# Altium PCB Buck_60W20V.pcbdoc (part 2 of 2)
Units mm, origin at the board's own origin, x right, y up, seen from the top; angles counter-clockwise.
Board outline 100.05 x 100.05 mm, 2 copper layers (Top Layer, Bottom Layer), stack 1.671 mm thick; 155 components, 86 nets, 482 pads, 532 vias.
Unrouted connection lines stored in the file: 116.
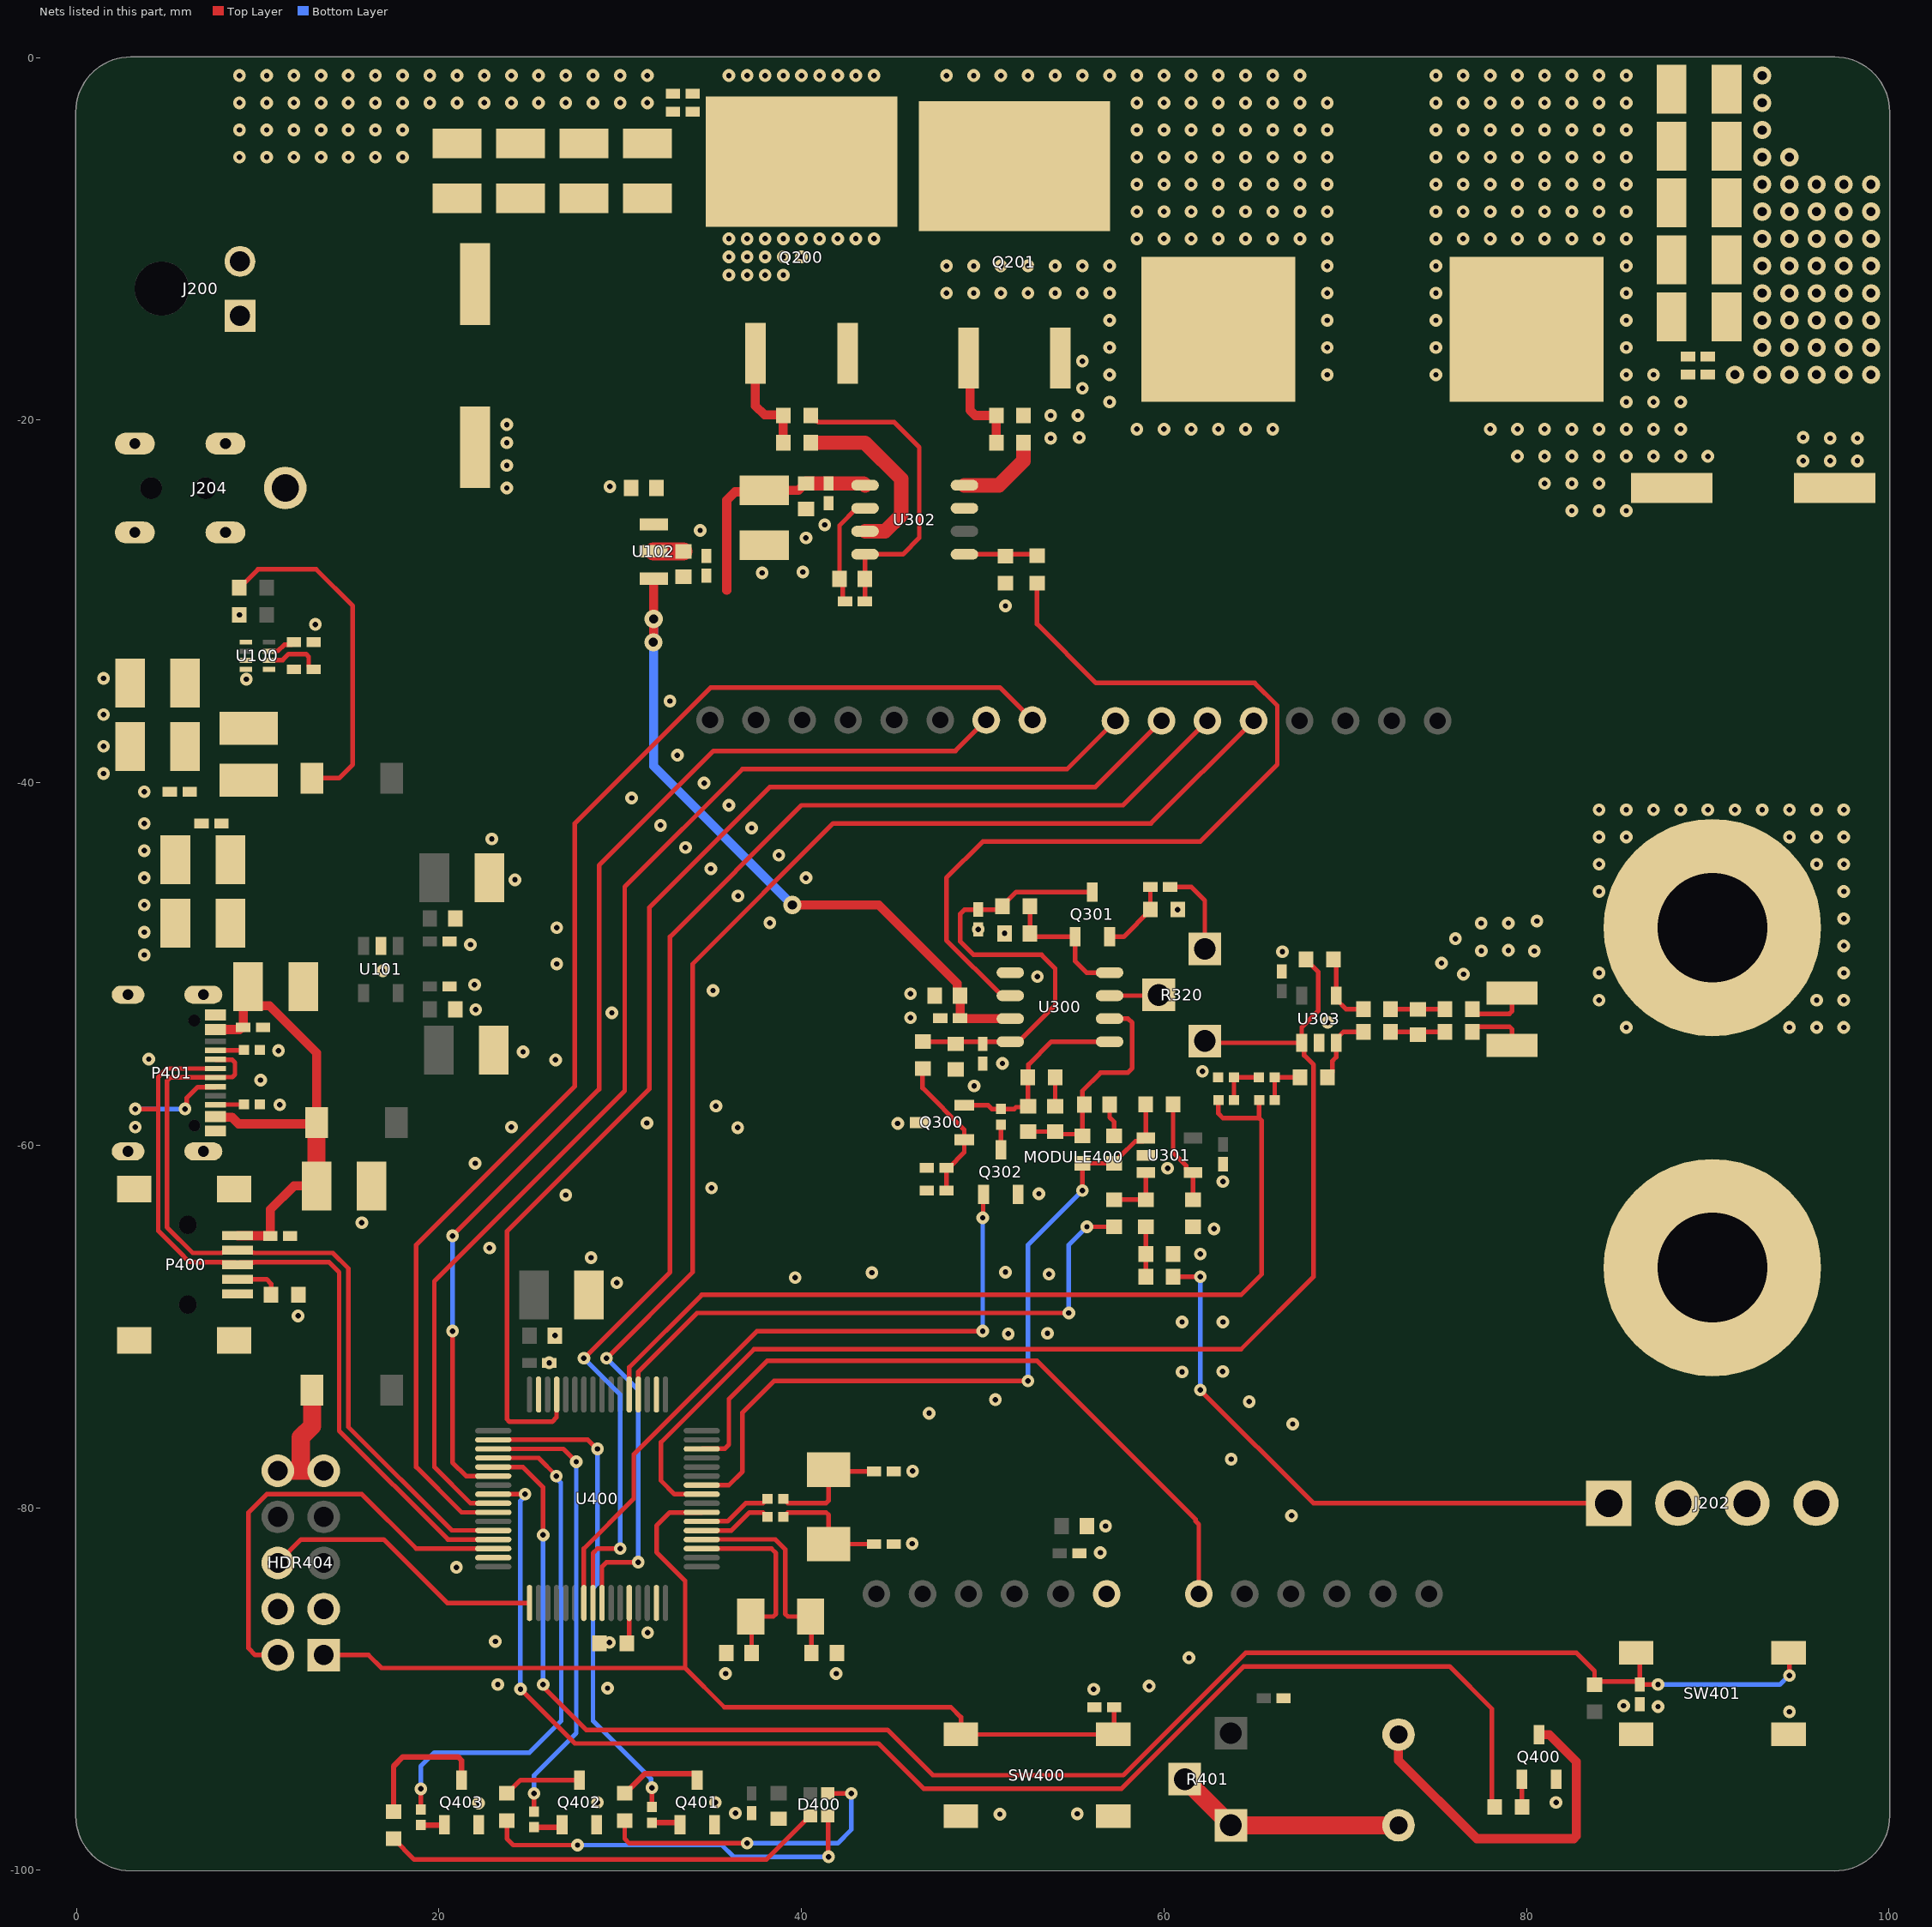
[diagram p2: the nets of this part, all layers, seen from the top]

## Via types
v1: diameter 0.7, hole 0.3, Top Layer to Bottom Layer, tented both sides, 470 vias
v2: diameter 1, hole 0.5, Top Layer to Bottom Layer, tented both sides, 57 vias
v3: diameter 5, hole 3, Top Layer to Bottom Layer, tented both sides, 4 vias
v4: diameter 1.27, hole 0.711, Top Layer to Bottom Layer, tented both sides, 1 vias

## Nets (pads, with @x,y where several pads share a name; then routed paths per layer and width w, separated by ;. In a path a pad name is that pad's centre, name@x,y a point inside that pad or via, vN(x,y) a via of type N, cw(c..) or ccw(c..) an arc to the next point about the centre after c; other vN are vias at no path point) (continued)
5V_ST-LINK: D102.2 HDR404.9 HDR404.10 | length 7.3
  Top Layer w1: HDR404.10@11.112,-77.96 12.383,-77.96 ; D102.2@13,-73.5 13,-75.5 12.383,-76.118 12.383,-77.96 ; HDR404.9@13.652,-77.96 12.383,-77.96
12V: C115.2 C116.1 C301.2 C302.2 C312.2 C313.1 C314.2 U102.1 U300.7 U302.1 | length 51.1
  Top Layer w0.254: U102.1@31.84,-28.766 U102.1@31.848,-28.774
  Top Layer w0.5: v2@31.848,-32.258 v2(31.848,-30.972) U102.1@31.848,-28.774 ; 35.878,-29.397 35.878,-24.416 36.336,-23.959 37.86,-23.959 C312.2@37.949,-23.87 39.83,-23.87 40.2,-23.5 C313.1@40.25,-23.5 ; v2(39.5,-46.75) 44.266,-46.75 48.6,-51.084 48.6,-51.6 C301.2@48.75,-51.75 C302.2@48.75,-53 48.76,-53.01 51.51,-53.01 U300.7@51.52,-53.02
  Top Layer w0.8: C313.1@40.25,-23.5 C314.2@41.5,-23.5 43.415,-23.5 U302.1@43.51,-23.595
  Bottom Layer w0.5: v2@31.84,-30.98 31.84,-39.09 v2(39.5,-46.75)
  other v2: 31.832,-32.258
24V: C102.2 C103.2 C104.2 C114.2 C200.2 C211.1 C213.1 C218.1 C219.1 C220.1 C221.2 J200.1 J204.1 Q200.4 U100.3 U102.3
  other v1: 36,-12 37,-12 38,-12 39,-12 36,-11 37,-11 38,-11 39,-11 40,-11 36,-10 37,-10 38,-10 39,-10 40,-10 41,-10 42,-10 43,-10 44,-10 36,-1 37,-1 38,-1 39,-1 40,-1 41,-1 42,-1 43,-1 44,-1
_xtal_8meg_N: R404.2 U400.6 | length 4.2
  Top Layer w0.254: U400.6@34.5,-80.75 34.508,-80.742 35.929,-80.742 36.925,-79.746 37.876,-79.746 38.122,-79.5 R404.2@38.134,-79.5
_xtal_8meg_P: R402.2 U400.5 | length 4.1
  Top Layer w0.254: U400.5@34.5,-81.25 36.139,-81.25 37.135,-80.254 37.876,-80.254 38.122,-80.5 R402.2@38.134,-80.5
bootstap_node: C315.2 C316.1 U302.2 | length 6.1
  Top Layer w0.254: C316.1@42.41,-30 42.285,-29.875 42.285,-28.935 C315.2@42.1,-28.75 42.1,-25.815 43.05,-24.865 U302.2@43.51,-24.865
buzzer_ctrl: R403.1 U400.40 | length 77.7
  Top Layer w0.254: U400.40@23,-79.25 v1(24.75,-79.25) ; v1(24.5,-90) 27.5,-93 44.25,-93 46.75,-95.5 57.647,-95.5 64.397,-88.75 75.75,-88.75 78.086,-91.086 78.086,-96.342 R403.1@78.244,-96.5
  Bottom Layer w0.254: v1(24.5,-90) 24.5,-79.621 24.75,-79.371 v1(24.75,-79.25)
GND: C100.2 C102.1 C103.1 C104.1 C105.1 C106.1 C107.1 C108.1 C109.1 C110.1 C111.1 C112.1 C113.1 C114.1 C115.1 C116.2 C200.1 C201.2 C211.2 C213.2 C218.2 C219.2 C220.2 C221.1 C228.1 C229.2 C230.2 C231.2 C232.2 C233.2 C234.2 C301.1 C302.1 C303.1 C304.1 C306.2 C308.1 C309.1 C310.1 C311.1 C312.1 C313.2 C314.1 C318.1 C400.1 C401.1 C402.1 C403.1 C404.1 C405.1 C406.1 C407.1 C408.1 C409.1 C410.1 C411.1 C412.1 C413.1 C414.1 C415.1 C416.1 C417.2 HDR404.3 HDR404.4 J200.2 J204.2 MODULE400.6 P400.5 P400.6 P400.7 P400.8 P400.9 P401.A1B12 P401.B1A12 P401.EP Q201.3 Q300.3 Q302.2 Q400.2 Q401.2 Q402.2 Q403.2 R101.1 R203.1 R205.1 R206.1 R306.1 R307.1 R312.2 R317.1 R321.1 R400.2 R408.1 R412.2 R413.2 SW400.3 SW400.4 SW401.3 SW401.4 U100.1 U100.4 U101.2 U102.2 U300.5 U301.2 U302.7 U303.2 U400.18 U400.31 U400.47 U400.63 | length 5
  Top Layer w0.254: C115.1@33.489,-27.239 C115.1@33.5,-27.25 ; R206.1@77,-52.5 77.25,-52.75 79.055,-52.75 79.203,-52.601 R205.1@79.203,-51.613
  Top Layer w1: U102.2@31.836,-27.239 C115.1@33.489,-27.239
  other v1: 50.943,-96.903 55.216,-96.878 36.358,-96.842 22.188,-96.282 81.627,-96.255 28.75,-96.25 35.25,-96.25 94.5,-91.25 87.25,-90.962 85.354,-90.917 56.12,-90.003 29.303,-89.95 59.181,-89.835 23.25,-89.75 35.815,-89.147 41.915,-89.142 61.374,-88.275 29.413,-87.425 23.114,-87.373 31.521,-86.887 20.97,-83.285 56.484,-82.473 46.11,-81.981 56.777,-81.01 67.036,-80.433 46.137,-77.974 63.702,-77.319 67.097,-75.377 47.045,-74.783 64.704,-74.143 50.701,-74.035 61,-72.5 63.241,-72.482 26.09,-72 26.4,-70.5 51.403,-70.407 53.569,-70.379 61,-69.75 63.25,-69.75 12.233,-69.413 29.815,-67.59 39.649,-67.304 53.651,-67.11 43.887,-67.027 51.25,-67 28.394,-66.2 62,-66 22.795,-65.67 62.757,-64.612 15.746,-64.276 27,-62.75 53.099,-62.674 35.044,-62.356 63.25,-62 60.199,-61.271 22,-61 36.484,-59.028 3.25,-59 24,-59 45.31,-58.798 31.476,-58.778 35.282,-57.84 11.218,-57.766 49.529,-56.724 10.165,-56.409 62.118,-55.926 51.089,-55.487 26.438,-55.293 4,-55.25 24.646,-54.846 11.155,-54.783 69.028,-53.221 46.014,-52.97 29.538,-52.696 22.029,-52.523 46.015,-51.639 35.124,-51.463 21.967,-51.151 53.02,-50.702 76.521,-50.571 16.907,-50.374 26.5,-50 75.307,-49.955 3.75,-49.5 66.533,-49.324 80.425,-49.294 77.506,-49.276 79,-49.25 21.742,-48.937 76.074,-48.611 51.205,-48.313 3.75,-48.25 49.75,-48.09 26.5,-48 77.5,-47.75 79,-47.75 38.256,-47.734 80.571,-47.634 60.756,-47 3.75,-46.75 36.5,-46.25 24.197,-45.36 3.75,-45.25 40.25,-45.25 35,-44.75 38.75,-44 3.75,-43.75 33.603,-43.577 22.922,-43.109 37.25,-42.5 32.229,-42.356 3.75,-42.25 36,-41.25 30.634,-40.847 3.75,-40.5 34.633,-40.025 1.5,-39.5 33.156,-38.487 1.5,-38 1.5,-36.25 32.75,-35.5 9.374,-34.296 1.5,-34.25 13.185,-31.273 8.994,-30.75 51.25,-30.25 37.835,-28.43 40.08,-28.38 40.25,-26.5 34.41,-26.091 41.285,-25.783 23.75,-23.75 29.438,-23.67 23.75,-22.5 95.25,-22.25 96.75,-22.25 98.25,-22.25 23.75,-21.25 53.75,-21 96.75,-21 98.25,-21 55.326,-20.969 95.254,-20.958 23.75,-20.25 53.75,-19.75 55.25,-19.75 55.5,-18.25 55.5,-16.75 9,-5.5 10.5,-5.5 12,-5.5 13.5,-5.5 15,-5.5 16.5,-5.5 18,-5.5 9,-4 10.5,-4 12,-4 13.5,-4 15,-4 16.5,-4 18,-4 9,-2.5 10.5,-2.5 12,-2.5 13.5,-2.5 15,-2.5 16.5,-2.5 18,-2.5 19.5,-2.5 21,-2.5 22.5,-2.5 24,-2.5 25.5,-2.5 27,-2.5 28.5,-2.5 30,-2.5 31.5,-2.5 9,-1 10.5,-1 12,-1 13.5,-1 15,-1 16.5,-1 18,-1 19.5,-1 21,-1 22.5,-1 24,-1 25.5,-1 27,-1 28.5,-1 30,-1 31.5,-1
  other v2: 91.5,-17.5 93,-17.5 94.5,-17.5 96,-17.5 97.5,-17.5 99,-17.5 93,-16 94.5,-16 96,-16 97.5,-16 99,-16 93,-14.5 94.5,-14.5 96,-14.5 97.5,-14.5 99,-14.5 93,-13 94.5,-13 96,-13 97.5,-13 99,-13 93,-11.5 94.5,-11.5 96,-11.5 97.5,-11.5 99,-11.5 93,-10 94.5,-10 96,-10 97.5,-10 99,-10 93,-8.5 94.5,-8.5 96,-8.5 97.5,-8.5 99,-8.5 93,-7 94.5,-7 96,-7 97.5,-7 99,-7 93,-5.5 94.5,-5.5 93,-4 93,-2.5 93,-1
ifb_offset: R313.2 R314.2 R315.2 | length 2.7
  Top Layer w0.254: R314.2@66.116,-57.5 66.108,-57.492 66.108,-56.258 R313.2@66.1,-56.25 R315.2@67.5,-56.25
lcd_buttons_adc: MODULE400.7 U400.14 | length 38.5
  Top Layer w0.254: U400.14@34.5,-76.75 34.509,-76.741 35.766,-76.741 36,-76.507 36,-74 38.104,-71.896 53,-71.896 61.75,-80.646 61.75,-80.75 61.92,-80.92 MODULE400.7@61.92,-84.75
LCD_D4: MODULE400.17 U400.57 | length 76.3
  Top Layer w0.254: U400.57@29,-85.25 29,-83.25 29.25,-83 v1(31,-83) ; v1(29.25,-71.75) 34,-67 34,-50 41.75,-42.25 59.28,-42.25 MODULE400.17@64.94,-36.59
  Bottom Layer w0.254: v1(29.25,-71.75) 31,-73.5 v1(31,-83)
LCD_D5: MODULE400.18 U400.56 | length 75.5
  Top Layer w0.254: v1(28,-71.75) 32.75,-67 32.75,-48.5 40,-41.25 57.74,-41.25 MODULE400.18@62.4,-36.59 ; U400.56@28.5,-85.25 28.5,-83.784 28.5,-82.5 28.75,-82.25 v1(30,-82.25)
  Bottom Layer w0.254: v1(28,-71.75) 30,-73.75 v1(30,-82.25)
LCD_D6: MODULE400.19 U400.29 | length 68.1
  Top Layer w0.254: U400.29@26.5,-73.75 26.491,-73.759 26.491,-75.009 26.25,-75.25 23.899,-75.25 23.75,-75.101 23.75,-64.75 31.612,-56.888 31.612,-46.888 38.25,-40.25 56.2,-40.25 MODULE400.19@59.86,-36.59
LCD_D7: MODULE400.20 U400.41 | length 71.3
  Top Layer w0.254: U400.41@23,-79.75 22.991,-79.741 21.741,-79.741 19.75,-77.75 19.75,-67.5 30.25,-57 30.25,-45.75 36.75,-39.25 54.66,-39.25 MODULE400.20@57.32,-36.59
LCD_EN: MODULE400.22 U400.38 | length 63.5
  Top Layer w0.254: v1(20.75,-70.25) 20.75,-77.5 21.5,-78.25 U400.38@23,-78.25 ; v1(20.75,-65) 28.839,-56.911 28.839,-44.568 35.156,-38.25 48.496,-38.25 MODULE400.22@50.196,-36.55
  Bottom Layer w0.254: v1(20.75,-70.25) v1(20.75,-65)
LCD_RS: MODULE400.21 U400.42 | length 73.5
  Top Layer w0.254: U400.42@23,-80.25 21.25,-80.25 18.75,-77.75 18.75,-65.5 27.5,-56.75 27.5,-42.25 35,-34.75 50.936,-34.75 MODULE400.21@52.736,-36.55
led_rgb_b: R411.1 U400.36 | length 28.7
  Top Layer w0.254: R411.1@19,-96.634 v1(19,-95.5) ; U400.36@23,-77.25 25.5,-77.25 26.479,-78.229 v1(26.479,-78.249)
  Bottom Layer w0.254: v1(19,-95.5) 19,-94.25 19.75,-93.5 25,-93.5 26.75,-91.75 26.75,-84.445 26.724,-84.419 26.724,-78.613 26.479,-78.369 v1(26.479,-78.249)
led_rgb_g: R410.1 U400.35 | length 25.1
  Top Layer w0.254: U400.35@23,-76.75 26.868,-76.75 v1(27.578,-77.46) ; R410.1@25.25,-96.75 v1(25.25,-95.75)
  Bottom Layer w0.254: v1(25.25,-95.75) 25.25,-94.75 27.578,-92.422 v1(27.578,-77.46)
led_rgb_r: R409.1 U400.34 | length 27.2
  Top Layer w0.254: U400.34@23,-76.25 28.216,-76.25 28.716,-76.75 v1(28.75,-76.75) ; R409.1@31.75,-96.5 v1(31.75,-95.44)
  Bottom Layer w0.254: v1(28.75,-76.75) 28.75,-84.185 28.5,-84.435 28.5,-91.75 31.707,-94.957 31.707,-95.397 v1(31.75,-95.44)
LOAD_divided: R302.1 R304.1 R306.2 | length 2.7
  Top Layer w0.254: R302.1@59,-67.25 R304.1@59,-64.506
LOAD_N: J202.2 J202.4 J203.1 R204.1 R205.2 | length 3.3
  Top Layer w0.254: R204.1@77,-53.75 77,-53.734 77.276,-53.458 79.055,-53.458 79.203,-53.607 R205.2@79.203,-54.495
LOAD_P: C201.1 C228.2 C229.1 C230.1 C231.1 C232.1 C233.1 C234.1 J201.1 J202.1 J202.3 L200.2 R302.2 | length 32.9
  Top Layer w0.254: R302.2@60.506,-67.25 v1(62,-67.25) ; v1(62,-73.5) 68.25,-79.75 J202.1@84.535,-79.75
  Bottom Layer w0.254: v1(62,-73.5) v1(62,-67.25)
  other v1: 85.5,-53.5 94.5,-53.5 96,-53.5 97.5,-53.5 84,-52 96,-52 97.5,-52 84,-50.5 97.5,-50.5 97.5,-49 97.5,-47.5 84,-46 97.5,-46 84,-44.5 96,-44.5 97.5,-44.5 84,-43 85.5,-43 94.5,-43 96,-43 97.5,-43 84,-41.5 85.5,-41.5 87,-41.5 88.5,-41.5 90,-41.5 91.5,-41.5 93,-41.5 94.5,-41.5 96,-41.5 97.5,-41.5 82.5,-25 84,-25 85.5,-25 81,-23.5 82.5,-23.5 84,-23.5 79.5,-22 81,-22 82.5,-22 84,-22 85.5,-22 87,-22 88.5,-22 90,-22 78,-20.5 79.5,-20.5 81,-20.5 82.5,-20.5 84,-20.5 85.5,-20.5 87,-20.5 88.5,-20.5 85.5,-19 87,-19 88.5,-19 75,-17.5 85.5,-17.5 87,-17.5 75,-16 85.5,-16 75,-14.5 85.5,-14.5 75,-13 85.5,-13 75,-11.5 85.5,-11.5 75,-10 76.5,-10 78,-10 79.5,-10 81,-10 82.5,-10 84,-10 85.5,-10 75,-8.5 76.5,-8.5 78,-8.5 79.5,-8.5 81,-8.5 82.5,-8.5 84,-8.5 85.5,-8.5 75,-7 76.5,-7 78,-7 79.5,-7 81,-7 82.5,-7 84,-7 85.5,-7 75,-5.5 76.5,-5.5 78,-5.5 79.5,-5.5 81,-5.5 82.5,-5.5 84,-5.5 85.5,-5.5 75,-4 76.5,-4 78,-4 79.5,-4 81,-4 82.5,-4 84,-4 85.5,-4 75,-2.5 76.5,-2.5 78,-2.5 79.5,-2.5 81,-2.5 82.5,-2.5 84,-2.5 85.5,-2.5 75,-1 76.5,-1 78,-1 79.5,-1 81,-1 82.5,-1 84,-1 85.5,-1
mcu_ifb_offset: R311.1 R314.1 U400.21 | length 51.3
  Top Layer w0.254: U400.21@30.5,-73.75 30.5,-72.25 34.5,-68.25 64.25,-68.25 65.389,-67.111 65.389,-58.645 65.25,-58.506 ; R311.1@63,-57.5 63,-58.25 63.256,-58.506 65.25,-58.506 ; R314.1@65.25,-57.5 65.25,-58.506
mcu_ifb_offset_div: R311.2 R312.1 R313.1 | length 2.6
  Top Layer w0.254: R311.2@63.866,-57.5 63.858,-57.492 63.858,-56.258 R312.1@63.85,-56.25 R313.1@65.234,-56.25
mcu_out_en: Q302.1 U400.55 | length 39
  Top Layer w0.254: U400.55@28,-85.25 28,-82.25 30.75,-79.5 30.75,-77.051 37.551,-70.25 v1(50,-70.25) ; v1(50,-64) 50.025,-63.975 50.025,-62.745 Q302.1@50.05,-62.72
  Bottom Layer w0.254: v1(50,-70.25) v1(50,-64)
mcu_vfb_offset: R303.2 U400.20 | length 33
  Top Layer w0.254: U400.20@31,-73.75 31,-72.491 34.24,-69.25 v1(54.75,-69.25) ; v1(55.75,-64.5) 57.244,-64.5 R303.2@57.25,-64.506
  Bottom Layer w0.254: v1(54.75,-69.25) 54.75,-65.5 v1(55.75,-64.5)
NetC100_1: C100.1 U100.7 | length 1.6
  Top Layer w0.254: U100.7@10.64,-32.75 10.653,-32.737 11.125,-32.737 11.469,-32.393 11.857,-32.393 C100.1@12,-32.25
NetC101_1: C101.1 U100.6 | length 3.3
  Top Layer w0.254: U100.6@10.64,-33.25 10.653,-33.237 11.386,-33.237 11.715,-32.908 12.673,-32.908 12.822,-33.057 12.822,-33.607 12.965,-33.75 C101.1@13.09,-33.75
NetC101_2: C101.2 L100.1 U100.5
NetC300_2: C300.2 R300.1 | length 1.6
  Top Layer w0.254: C300.2@54,-57.85 R300.1@54,-56.25
NetC307_1: C307.1 R308.2 | length 1.8
  Top Layer w0.254: C307.1@57,-57.75 57,-58.458 57.25,-58.708 R308.2@57.25,-59.494
NetC309_2: C309.2 C310.2 Q300.1 R309.1 | length 8.1
  Top Layer w0.254: R309.1@46.68,-55.799 46.68,-56.845 48.985,-59.149 Q300.1@48.985,-59.7 48.985,-60.39 48.125,-61.25 C310.2@48,-61.25 C309.2@48,-62.5
NetC317_1: C317.1 R320.3 | length 4.9
  Top Layer w0.254: C317.1@60.34,-45.75 61.5,-45.75 62.25,-46.5 R320.3@62.25,-49.17
NetC317_2: C317.2 Q301.2 R317.2 | length 4.1
  Top Layer w0.254: Q301.2@57,-48.5 57.779,-48.5 59.25,-47.029 R317.2@59.25,-47 C317.2@59.25,-45.75
NetD400_1: D400.1 R407.2 | length 24.5
  Top Layer w0.254: R407.2@17.5,-98.256 18.647,-99.403 38.062,-99.403 40.475,-96.99 D400.1@40.5,-96.99
NetD400_3: D400.3 R406.2 | length 21.4
  Top Layer w0.254: R406.2@23.75,-97.25 23.75,-98.25 24.107,-98.607 v1(27.647,-98.607) ; D400.3@41.45,-96.99 41.475,-97.015 41.475,-99.225 v1(41.5,-99.25)
  Bottom Layer w0.254: v1(27.647,-98.607) 35.607,-98.607 36.25,-99.25 v1(41.5,-99.25)
NetD400_4: D400.4 R405.2 | length 17.2
  Top Layer w0.254: R405.2@30.25,-97.25 30.25,-98.25 30.5,-98.5 v1(37,-98.5) ; D400.4@41.45,-95.75 v1(42.75,-95.75)
  Bottom Layer w0.254: v1(37,-98.5) 42,-98.5 42.75,-97.75 v1(42.75,-95.75)
NetLS400_1: LS400.1 R401.1 R401.2 | length 12.8
  Top Layer w1: R401.2@61.146,-94.971 R401.1@63.686,-97.511 LS400.1@72.936,-97.511
NetLS400_2: LS400.2 Q400.3 | length 19.9
  Top Layer w0.5: LS400.2@72.936,-92.511 72.936,-93.936 77.25,-98.25 82.601,-98.25 82.75,-98.101 82.75,-94 81.261,-92.511 Q400.3@80.686,-92.511
NetP400_4: P400.4 R408.2 | length 2.6
  Top Layer w0.254: P400.4@8.899,-67.394 10.492,-67.394 10.747,-67.649 R408.2@10.747,-68.25
NetP401_A5: P401.A5 R413.1 | length 1.6
  Top Layer w0.254: P401.A5@7.677,-54.768 7.686,-54.759 9.241,-54.759 R413.1@9.25,-54.75
NetP401_B5: P401.B5 R412.1 | length 1.6
  Top Layer w0.254: P401.B5@7.677,-57.768 7.686,-57.759 9.241,-57.759 R412.1@9.25,-57.75
NetQ200_1: Q200.1 R200.2 R201.2 | length 6.2
  Top Layer w0.5: Q200.1@37.46,-16.322 37.46,-19.21 37.971,-19.721 39,-19.721 R200.2@39,-21.25
NetQ201_1: Q201.1 R202.2 R203.2 | length 6
  Top Layer w0.5: Q201.1@49.21,-16.572 49.293,-16.654 49.293,-19.457 49.586,-19.75 R203.2@50.747,-19.75 R202.2@50.747,-21.25
NetQ302_3: Q302.3 R323.1 | length 1.4
  Top Layer w0.254: Q302.3@51,-60.25 R323.1@51,-58.866
NetQ400_1: Q400.1 R403.2 | length 1.5
  Top Layer w0.254: Q400.1@79.736,-94.981 79.736,-96.486 R403.2@79.75,-96.5
NetQ401_1: Q401.1 R409.2 | length 1.6
  Top Layer w0.3: R409.2@31.75,-97.366 33.181,-97.366 Q401.1@33.3,-97.485
NetQ401_3: Q401.3 R405.1 | length 4.7
  Top Layer w0.3: R405.1@30.25,-95.744 30.279,-95.744 31.364,-94.659 34.1,-94.659 34.25,-94.809 Q401.3@34.25,-95.015
NetQ402_1: Q402.1 R410.2 | length 1.6
  Top Layer w0.3: R410.2@25.25,-97.616 26.669,-97.616 Q402.1@26.8,-97.485
NetQ402_3: Q402.3 R406.1 | length 4.3
  Top Layer w0.254: R406.1@23.75,-95.744 23.779,-95.744 24.507,-95.015 Q402.3@27.75,-95.015
NetQ403_1: Q403.1 R411.2 | length 1.3
  Top Layer w0.3: R411.2@19,-97.5 20.285,-97.5 Q403.1@20.3,-97.485
NetQ403_3: Q403.3 R407.1 | length 7.6
  Top Layer w0.3: R407.1@17.5,-96.75 17.5,-94.25 18,-93.75 21.074,-93.75 21.25,-93.926 Q403.3@21.25,-95.015
NetR303_1: R303.1 R304.2 U301.3 | length 3.2
  Top Layer w0.254: R303.1@57.25,-63 R304.2@59,-63 U301.3@59,-61.505
NetR307_2: R307.2 R310.1 U301.4 | length 5.9
  Top Layer w0.254: R310.1@60.5,-57.75 60.5,-60.405 61.227,-61.132 61.227,-61.332 61.4,-61.505 U301.4@61.6,-61.505 61.6,-62.85 R307.2@61.75,-63
NetR315_1: R315.1 R316.2 U303.3 | length 4.1
  Top Layer w0.254: R315.1@69.006,-56.25 69.283,-55.974 69.283,-55.359 69.5,-55.142 U303.3@69.5,-54.35 69.5,-54.15 69.903,-53.747 R316.2@71.086,-53.747
NetR318_2: R318.2 R322.1 U303.4 | length 4
  Top Layer w0.254: R322.1@69.35,-49.75 69.5,-49.9 U303.4@69.5,-51.75 69.5,-51.95 70.05,-52.5 R318.2@70.994,-52.5
NetR400_1: R400.1 U400.60 | length 2.3
  Top Layer w0.254: R400.1@30.5,-87.5 U400.60@30.5,-85.25
NRST: C408.2 HDR404.1 SW400.1 SW400.2 U400.7 | length 58.7
  Top Layer w0.254: HDR404.1@13.652,-88.12 16.12,-88.12 16.833,-88.833 33.583,-88.833 ; U400.7@34.5,-80.25 34.491,-80.259 32.741,-80.259 32.01,-80.99 32.01,-82.451 33.583,-84.025 33.583,-88.833 ; SW400.1@48.8,-92.5 48.8,-91.55 48.25,-91 35.75,-91 33.583,-88.833 ; SW400.1@48.8,-92.5 SW400.2@57.2,-92.5 57.25,-92.45 C408.2@57.25,-91
PSU_EN: C417.1 R414.1 SW401.1 SW401.2 U400.37 | length 92.1
  Top Layer w0.254: U400.37@23,-77.75 24.629,-77.75 25.75,-78.871 v1(25.75,-81.5) ; v1(25.75,-89.75) 25.75,-89.871 26.013,-90.134 28.129,-92.25 44.75,-92.25 47.25,-94.75 57.75,-94.75 64.5,-88 82.75,-88 83.75,-89 R414.1@83.75,-89.75 83.914,-89.586 C417.1@86.05,-89.586 ; SW401.1@86.05,-88 86.25,-88.2 C417.1@86.25,-89.75 v1(87.25,-89.75) ; SW401.2@94.45,-88 94.5,-88.05 v1(94.5,-89.25)
  Bottom Layer w0.254: v1(25.75,-89.75) v1(25.75,-81.5) ; v1(87.25,-89.75) 93.966,-89.75 94.466,-89.25 v1(94.5,-89.25)
PWM_H: R200.1 U302.3 | length 10.2
  Top Layer w0.8: R200.1@40.506,-21.25 43.5,-21.25 45.5,-23.25 45.5,-25.25 44.615,-26.135 U302.3@43.51,-26.135
PWM_L: R202.1 U302.8 | length 4.8
  Top Layer w0.8: U302.8@48.99,-23.595 50.905,-23.595 52.253,-22.247 R202.1@52.253,-21.25
shunt_fil_N: C235.1 R206.2 R318.1 | length 3
  Top Layer w0.254: R318.1@72.5,-52.5 C235.1@74,-52.5 R206.2@75.494,-52.5
shunt_fil_P: C235.2 R204.2 R316.1 | length 3
  Top Layer w0.254: R316.1@72.5,-53.75 R204.2@75.494,-53.75
SWCLK: HDR404.6 U400.49 | length 15.9
  Top Layer w0.254: HDR404.6@11.112,-83.04 12.402,-81.75 16.961,-81.75 20.461,-85.25 U400.49@25,-85.25
SWDIO: HDR404.2 U400.46 | length 24.4
  Top Layer w0.254: HDR404.2@11.112,-88.12 9.87,-88.12 9.5,-87.75 9.5,-80.25 10.5,-79.25 15.75,-79.25 18.75,-82.25 U400.46@23,-82.25
switch_node: C315.1 C316.2 L200.1 Q200.3 Q201.4 R201.1 U302.4 | length 17.7
  Top Layer w0.254: R201.1@40.506,-19.75 40.506,-19.779 40.783,-20.055 40.869,-20.055 40.932,-20.118 45.118,-20.118 46.5,-21.5 46.5,-26.5 45.595,-27.405 U302.4@43.51,-27.405 43.51,-29.99 C316.2@43.5,-30
  other v1: 58.5,-20.5 60,-20.5 61.5,-20.5 63,-20.5 64.5,-20.5 66,-20.5 57,-19 57,-17.5 69,-17.5 57,-16 69,-16 57,-14.5 69,-14.5 48,-13 49.5,-13 51,-13 52.5,-13 54,-13 55.5,-13 57,-13 69,-13 48,-11.5 49.5,-11.5 51,-11.5 52.5,-11.5 54,-11.5 55.5,-11.5 57,-11.5 69,-11.5 58.5,-10 60,-10 61.5,-10 63,-10 64.5,-10 66,-10 67.5,-10 69,-10 58.5,-8.5 60,-8.5 61.5,-8.5 63,-8.5 64.5,-8.5 66,-8.5 67.5,-8.5 69,-8.5 58.5,-7 60,-7 61.5,-7 63,-7 64.5,-7 66,-7 67.5,-7 69,-7 58.5,-5.5 60,-5.5 61.5,-5.5 63,-5.5 64.5,-5.5 66,-5.5 67.5,-5.5 69,-5.5 58.5,-4 60,-4 61.5,-4 63,-4 64.5,-4 66,-4 67.5,-4 69,-4 58.5,-2.5 60,-2.5 61.5,-2.5 63,-2.5 64.5,-2.5 66,-2.5 67.5,-2.5 69,-2.5 48,-1 49.5,-1 51,-1 52.5,-1 54,-1 55.5,-1 57,-1 58.5,-1 60,-1 61.5,-1 63,-1 64.5,-1 66,-1 67.5,-1
SYS_5V: C105.2 C106.2 C107.2 D100.2 L100.2 R100.2 | length 18.8
  Top Layer w0.254: R100.2@9.004,-29.25 9.004,-29.211 9.27,-28.945 9.309,-28.945 10.021,-28.233 13.233,-28.233 15.25,-30.25 15.25,-39 14.5,-39.75 D100.2@13,-39.75
UC3483_VREF_5V: C303.2 C304.2 C311.2 Q301.3 R301.2 R309.2 U300.8 | length 25.4
  Top Layer w0.254: R309.2@46.698,-54.275 46.713,-54.29 U300.8@51.52,-54.29 51.98,-54.29 54,-52.27 54,-50.25 53.25,-49.5 49.5,-49.5 48.75,-48.75 48.75,-47.25 49,-47 50.911,-47 R301.2@51.098,-46.813 51.098,-46.784 51.853,-46.03 Q301.3@56.05,-46.03
UC3843_osc: C306.1 Q301.1 R301.1 U300.4 | length 7.6
  Top Layer w0.254: R301.1@52.605,-46.813 C306.1@52.605,-48.313 52.792,-48.5 Q301.1@55.1,-48.5 55.1,-49.85 55.73,-50.48 U300.4@57,-50.48
USB_5V: C411.2 C412.2 C413.2 C414.2 D101.2 P400.1 P401.A4B9 P401.B4A9 | length 28.6
  Top Layer w0.5: P401.B4A9@7.677,-58.418 7.706,-58.447 8.584,-58.447 8.959,-58.822 D101.2@13.178,-58.822 ; P401.A4B9@7.677,-53.618 C413.2@8.998,-53.618 ; P400.1@8.899,-64.994 8.902,-64.997 10.702,-64.997 C411.2@10.705,-65 10.705,-63.545 12,-62.25 C412.2@13.25,-62.25 ; C413.2@9.205,-53.5 9.205,-51.528 C414.2@9.483,-51.25 9.483,-51.737 10.05,-52.305 10.656,-52.305 13.25,-54.899 D101.2@13.25,-58.75 D101.2@13.25,-58.875
  Top Layer w1: C412.2@13.25,-62.25 D101.2@13.25,-58.875
USB_D_N: P400.2 P401.A7 P401.B7 U400.44 | length 43.9
  Top Layer w0.254: P401.B7@7.677,-55.268 7.7,-55.291 8.601,-55.291 8.75,-55.44 8.75,-56.097 8.601,-56.245 7.663,-56.245 7.659,-56.25 5.2,-56.25 5,-56.45 5,-64.519 6.421,-65.94 8.027,-65.94 8.05,-65.917 8.776,-65.917 P400.2@8.899,-65.794 9.022,-65.917 9.748,-65.917 9.771,-65.94 14.15,-65.94 15.008,-66.798 15.008,-75.54 20.71,-81.242 22.992,-81.242 U400.44@23,-81.25
USB_D_P: P400.3 P401.A6 P401.B6 U400.45 | length 49.1
  Top Layer w0.254: v1(3.25,-58) 4.518,-58 ; v1(6,-58) 6.085,-57.915 6.085,-57.398 6.692,-56.791 7.654,-56.791 P401.B6@7.677,-56.768 ; P401.A6@7.677,-55.768 5,-55.768 4.518,-56.25 4.518,-58 ; U400.45@23,-81.75 20.5,-81.75 14.5,-75.75 14.5,-67.008 13.94,-66.448 9.771,-66.448 9.748,-66.471 9.022,-66.471 P400.3@8.899,-66.594 8.776,-66.471 8.05,-66.471 8.027,-66.448 6.44,-66.448 6.413,-66.421 6.203,-66.421 5.932,-66.15 5.932,-66.131 4.518,-64.718 4.518,-58
  Bottom Layer w0.254: v1(3.25,-58) v1(6,-58)
vcomp: C305.2 Q300.2 R300.2 R323.2 U300.1 | length 11
  Top Layer w0.254: Q300.2@48.985,-57.8 50.3,-57.8 50.5,-58 R323.2@51,-58 51.734,-58 51.836,-57.898 52.452,-57.898 C305.2@52.5,-57.85 52.494,-57.844 R300.2@52.494,-56.25 52.522,-56.221 52.522,-55.553 53.785,-54.29 U300.1@57,-54.29
Vfb_offseted: R305.1 R308.1 R310.2 U301.1 U400.10 | length 41.5
  Top Layer w0.254: U400.10@34.5,-78.75 36,-78.75 36.75,-78 36.75,-74.75 38.5,-73 v1(52.5,-73) ; v1(55.5,-62.5) R305.1@55.5,-61 57.279,-61 57.555,-60.724 57.555,-60.653 58.431,-59.778 58.827,-59.778 U301.1@59,-59.605 59,-57.756 R310.2@58.994,-57.75
  Bottom Layer w0.254: v1(52.5,-73) 52.5,-65.5 v1@55.487,-62.513
vfb_pin: C300.1 C305.1 C307.2 R305.2 U300.2 | length 12.7
  Top Layer w0.254: C305.1@52.5,-59.25 C300.1@54,-59.25 54.14,-59.39 55.397,-59.39 R305.2@55.5,-59.494 55.5,-59.39 55.5,-57.75 55.5,-57 56.5,-56 58,-56 58.25,-55.75 58.25,-53.25 58.02,-53.02 U300.2@57,-53.02
Vifb_multiplied_offseted: R320.1 R322.2 U303.1 U400.9 | length 68.3
  Top Layer w0.254: U400.9@34.5,-79.25 33,-79.25 32.25,-78.5 32.25,-76.389 37.389,-71.25 64.25,-71.25 68.25,-67.25 68.25,-55.565 67.733,-55.048 67.733,-54.483 U303.1@67.6,-54.35 ; R320.1@62.25,-54.25 62.35,-54.35 U303.1@67.6,-54.35 ; R322.2@67.844,-49.75 67.844,-49.779 68.5,-50.435 68.5,-52.592 67.6,-53.492 U303.1@67.6,-54.35
Vifb_slope_compensated: R320.2 U300.3 | length 2.7
  Top Layer w0.254: U300.3@57,-51.75 59.67,-51.75 R320.2@59.71,-51.71
vpwm: R319.2 U300.6 | length 49.7
  Top Layer w0.254: U300.6@51.52,-51.75 51.06,-51.75 48,-48.69 48,-45.25 50,-43.25 62,-43.25 66.25,-39 66.25,-35.75 65,-34.5 56.25,-34.5 53,-31.25 R319.2@53,-29
vpwm_divided: R319.1 R321.2 U302.5 | length 4
  Top Layer w0.254: U302.5@48.99,-27.405 52.911,-27.405 R319.1@53,-27.494
xtal_8meg_N: C407.2 R404.1 XTAL401.1 | length 6.9
  Top Layer w0.254: R404.1@39,-79.5 39.013,-79.5 39.259,-79.746 41.351,-79.746 41.5,-79.597 XTAL401.1@41.5,-77.9 41.6,-78 C407.2@44,-78
xtal_8meg_P: C406.2 R402.1 XTAL401.2 | length 6.8
  Top Layer w0.254: R402.1@39,-80.5 39.013,-80.5 39.259,-80.254 41.351,-80.254 41.5,-80.403 XTAL401.2@41.5,-82 C406.2@44,-82
xtal_32k_N: C405.2 U400.4 XTAL400.2 | length 11.9
  Top Layer w0.254: U400.4@34.5,-81.75 34.508,-81.742 38.556,-81.742 39.104,-82.29 39.104,-85.851 39.253,-86 XTAL400.2@40.5,-86 40.544,-86.044 C405.2@40.544,-87.993
xtal_32k_P: C400.2 U400.3 XTAL400.1 | length 11
  Top Layer w0.254: U400.3@34.5,-82.25 38.346,-82.25 38.596,-82.5 38.596,-85.851 38.447,-86 XTAL400.1@37.2,-86 37.25,-86.05 C400.2@37.25,-88
pads on no net: HDR404.5 HDR404.7 HDR404.8 J200. J204. MODULE400.1 MODULE400.2 MODULE400.3 MODULE400.4 MODULE400.8 MODULE400.9 MODULE400.10 MODULE400.11 MODULE400.12 MODULE400.13 MODULE400.14 MODULE400.15 MODULE400.16 MODULE400.23 MODULE400.24 MODULE400.25 MODULE400.26 MODULE400.27 MODULE400.28 P400. P401. P401.A8 P401.B8 U100.2 U101.4 U302.6 U400.1 U400.2 U400.8 U400.11 U400.12 U400.13 U400.15 U400.16 U400.17 U400.22 U400.23 U400.24 U400.25 U400.26 U400.27 U400.28 U400.30 U400.33 U400.39 U400.43 U400.48 U400.50 U400.51 U400.52 U400.53 U400.54 U400.58 U400.59 U400.61 U400.62
copper on no net:
  other v3: 3,-97 97,-97 3,-3 97,-3

## Polygon pours and split planes (outlines as drawn)
GND on Top Layer "GND_L01_P017" (solid, pour order 17): 0,0 100,0 100,-100 0,-100
24V on Top Layer "24V_L01_P000" (solid, pour order 0): 34.7,-2.1 34.7,-9.4 45.3,-9.4 45.3,-2.1
LOAD_N on Top Layer "LOAD_N_L01_P014" (solid, pour order 14): 77.75,-53.891 81.891,-53.891 84.25,-56.25 98.5,-56.25 98.75,-56.5 98.75,-83.085 97.335,-84.5 79.5,-84.5 77.75,-82.75
LOAD_P on Top Layer "LOAD_P_L01_P012" (solid, pour order 12): 86,-55 96.75,-55 99,-52.75 99,-29.25 93.5,-23.75 89.5,-19.75 89.5,-0.536 89.214,-0.25 75,-0.25 73.75,-1.5 73.75,-17.5 82.5,-26.25 82.5,-51.5
switch_node on Top Layer "SWITCH_NODE_L01_P011" (solid, pour order 11): 40,-12.75 40,-19.932 40.318,-20.25 42.5,-20.25 49,-13.75 55,-13.75 56.25,-15 56.25,-19.75 57.5,-21 66.75,-21 70,-17.75 70,-2.5 67.75,-0.25 46.75,-0.25 46.25,-0.75 46.25,-9.5 44.75,-11 41.75,-11
24V on Top Layer "Top Layer-24V" (solid, pour order 10): 41.625,-10.787 39.75,-12.662 39.75,-13.75 39.169,-14.331 35.875,-14.331 35.875,-23.375 33,-26.25 31.164,-26.25 31,-26.086 31,-25.25 31.25,-25 31.25,-21 30.25,-20 27,-20 23.25,-16.25 18,-16.25 14.75,-19.5 14.75,-23.5 10.25,-28 9,-28 8.25,-28.75 8.25,-32.353 8.397,-32.5 8.952,-33.055 9.762,-33.055 9.794,-33.087 9.791,-33.091 9.791,-33.393 9.72,-33.464 8.912,-33.464 8.815,-33.561 8.815,-33.935 8.5,-34.25 8.028,-34.25 7.116,-35.162 7.116,-40.512 6.619,-41.009 5.905,-40.999 5.706,-40.797 5.706,-39.956 5,-39.25 5,-33 6.25,-31.75 6.25,-8.5 8.5,-6.25 32.434,-6.25 33.75,-4.934 33.75,-0.75 34.25,-0.25 45.5,-0.25 45.75,-0.5 45.75,-9.602 44.565,-10.787
12V on Top Layer "12V_L01_P009" (solid, pour order 9): 36.14,-28.39 37,-29.25 37,-32.75 35.75,-34 28.75,-34 27,-32.25 27,-29.5 28.11,-28.39
SYS_5V on Top Layer "SYS_5V_L01_P005" (solid, pour order 5): 8.013,-38.75 13.75,-38.75 14,-39 14,-47.75 12.5,-49.25 8,-49.25 7.75,-49 7.75,-39.013
NetC101_2 on Top Layer "NETC101_2_L01_P004" (solid, pour order 4): 10,-35 10.265,-34.735 10.265,-33.554 11.184,-33.554 11.488,-33.25 12.25,-33.25 12.5,-33.5 12.5,-37.5 11.74,-38.26 7.886,-38.26 7.497,-37.87 7.497,-35.253 7.75,-35
5V on Top Layer "5V_L01_P002" (solid, pour order 2): 17.334,-49.498 17.334,-46.834 17.25,-46.75 17.25,-42 16,-40.75 16,-38 17,-37 20.75,-37 21.25,-37.5 21.25,-46 20,-47.25 20,-49.25 19.5,-49.75 17.587,-49.75
3V3 on Top Layer "3V3_L01_P001" (solid, pour order 1): 18.75,-56.25 18.75,-57.186 20.814,-59.25 22,-59.25 23,-58.25 23,-56.75 22.5,-56.25 21.883,-56.25 21.5,-55.867 21.5,-53.5 21.25,-53.25 20.25,-53.25 20,-53 20,-50.75 19.5,-50.25 17.25,-50.25 16.75,-50.5 16.75,-53.25 18.75,-55.25
GND on Bottom Layer "GND_L02_P019" (solid, pour order 19): 0,0 100,0 100,-100 0,-100
LOAD_P on Bottom Layer "LOAD_P_L02_P013" (solid, pour order 13): 75,-0.25 73.75,-1.5 73.75,-17.5 82,-25.75 89.25,-25.75 91,-24 91,-21.25 89.275,-19.525 89.275,-1.025 88.5,-0.25
switch_node on Bottom Layer "SWITCH_NODE_L02_P015" (solid, pour order 15): 67.75,-0.25 70,-2.5 70,-17.75 66.75,-21 57.5,-21 56.25,-19.75 56.25,-15 55.06,-13.81 55.06,-13.75 47.5,-13.75 46.25,-12.5 46.25,-9.5 46.25,-0.75 46.75,-0.25
24V on Bottom Layer "24V_L02_P016" (solid, pour order 16): 44.565,-10.787 41.625,-10.787 39.662,-12.75 35.114,-12.75 34.7,-12.336 34.7,-0.25 45.75,-0.25 45.75,-9.602
LOAD_P on Bottom Layer "LOAD_P_L02_P018" (solid, pour order 18): 82.422,-40 82.422,-68.078 77.75,-72.75 77.75,-82.75 79.5,-84.5 97.25,-84.5 98.5,-83.25 98.75,-83.25 98.75,-40.75 98,-40

## Keep-outs
Keep-Out Layer:
  lines w0.05: 2.75,-100 97,-100 ccw(c97,-97) 100,-97 100,-3 ccw(c97,-3) 97,0 3,0 ccw(c3,-3) 0,-3 0,-97 ; 3,-100 cw(c3,-97) 0,-97 ; 0,-97 0,-97

## Other copper
Top Layer:
  pour cut-out: 77.4,-52.5 78.5,-52.5 78.626,-52.374 78.626,-52.254 79.781,-52.254 79.75,-52.285 79.75,-52.763 79.213,-53.3 77.4,-53.3

## Silkscreen, mask and mechanical layers (free items; w line width, h text height)
Top Overlay:
  drawing of 6 lines, arcs and shapes, not listed
  text "Buck Converter 20V 60W" at 58.75,-2.476 h2
  text "REV 1.0" at 58.75,-4.226 h2
  text "Arturo B." at 58.75,-5.24 h1
  text "FEB 2024" at 58.75,-6.488 h1
  text "VIN: 24V" at 3.25,-19.75 h1.52
  text "VOUT 20V, 60W" at 83.25,-38.033 h1.52
  text "SLOPE POT" at 58.577,-44.913 h1.52
  text "+" at 96.75,-48.713 h5
  text "-" at 97,-67.106 h5
  text "-" at 87.75,-76.106 h5
  text "-" at 95.37,-76.106 h5
  text "+" at 83.5,-76.463 h5
  text "+" at 91.12,-76.463 h5
  text "PSU EN" at 88,-94.732 h1.5
  text "Buck Converter 20V 60W" at 6.5,-95.238 h1
  text "REV 1.0" at 6.5,-96.238 h1
  text "Arturo B." at 6.5,-97.421 h1
  text "FEB 2024" at 6.5,-98.488 h1
  text "RESET" at 50.828,-99.298 h1.52
  text "BUZZ POT" at 60.152,-99.794 h1.52
Bottom Overlay:
  drawing of 6 lines, arcs and shapes, not listed
  text "Buck Converter 20V 60W" at 79,-3.976 h2
  text "REV 1.0" at 79,-5.976 h2
  text "ASB" at 79,-7.238 h1
  text "FEB 2024" at 79,-8.238 h1
Board Outline:
  lines w0.05: 2.75,-100 97,-100 ccw(c97,-97) 100,-97 100,-3 ccw(c97,-3) 97,0 3,0 ccw(c3,-3) 0,-3 0,-97 ; 3,-100 cw(c3,-97) 0,-97 ; 0,-97 0,-97